# Altium PCB PCB22.PcbDoc (part 1 of 16)
Units mm, origin at the board's own origin, x right, y up, seen from the top; angles counter-clockwise.
Board outline 233.7 x 110.51 mm, 4 copper layers (Top Layer, Layer 1, Layer 2, Bottom Layer), stack 0.603 mm thick; 1249 components, 1355 nets, 4549 pads, 1315 vias.
Unrouted connection lines stored in the file: 1569.
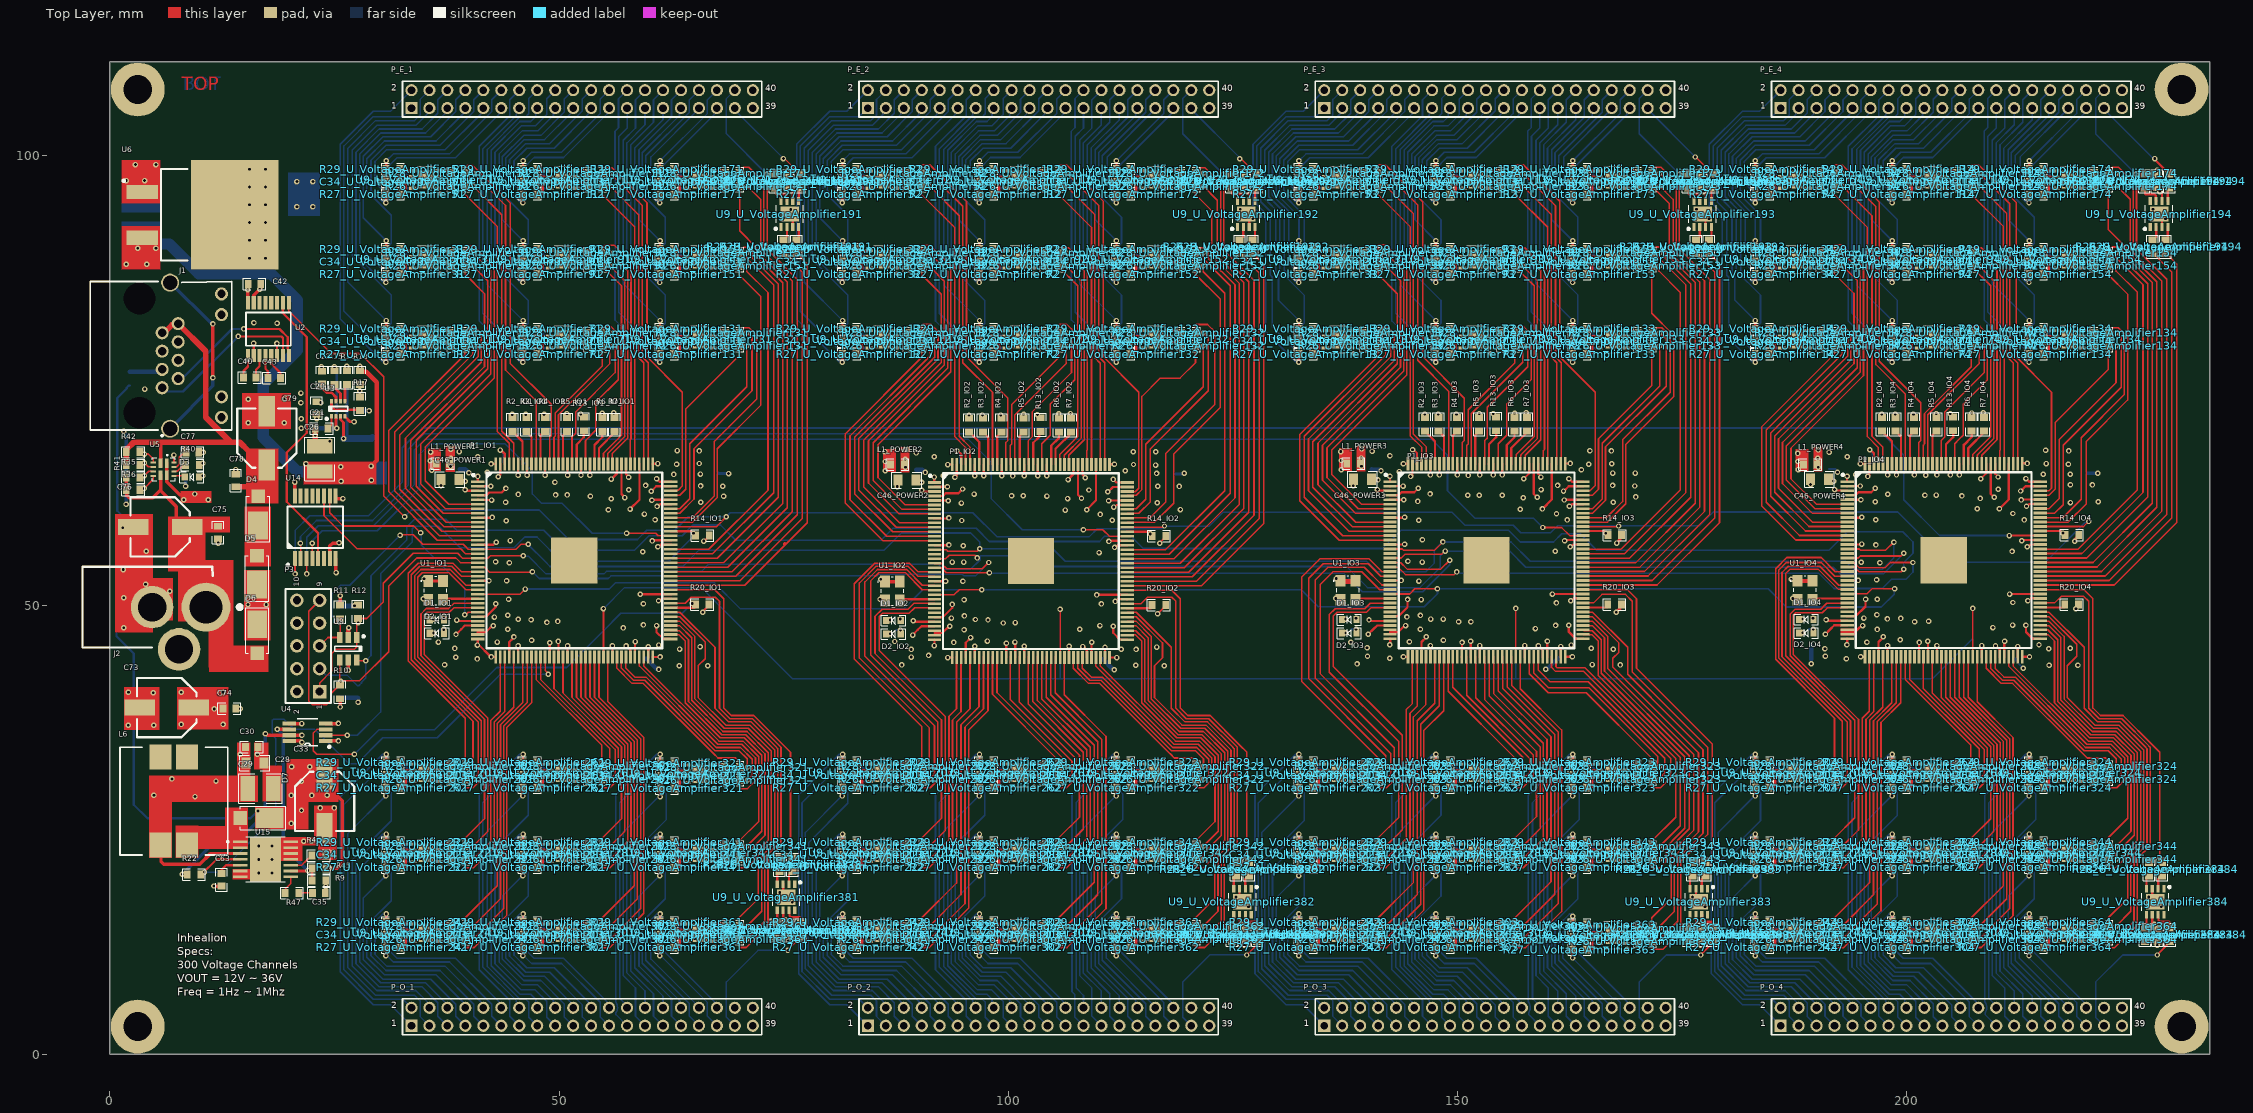
[diagram p0: Top Layer view]
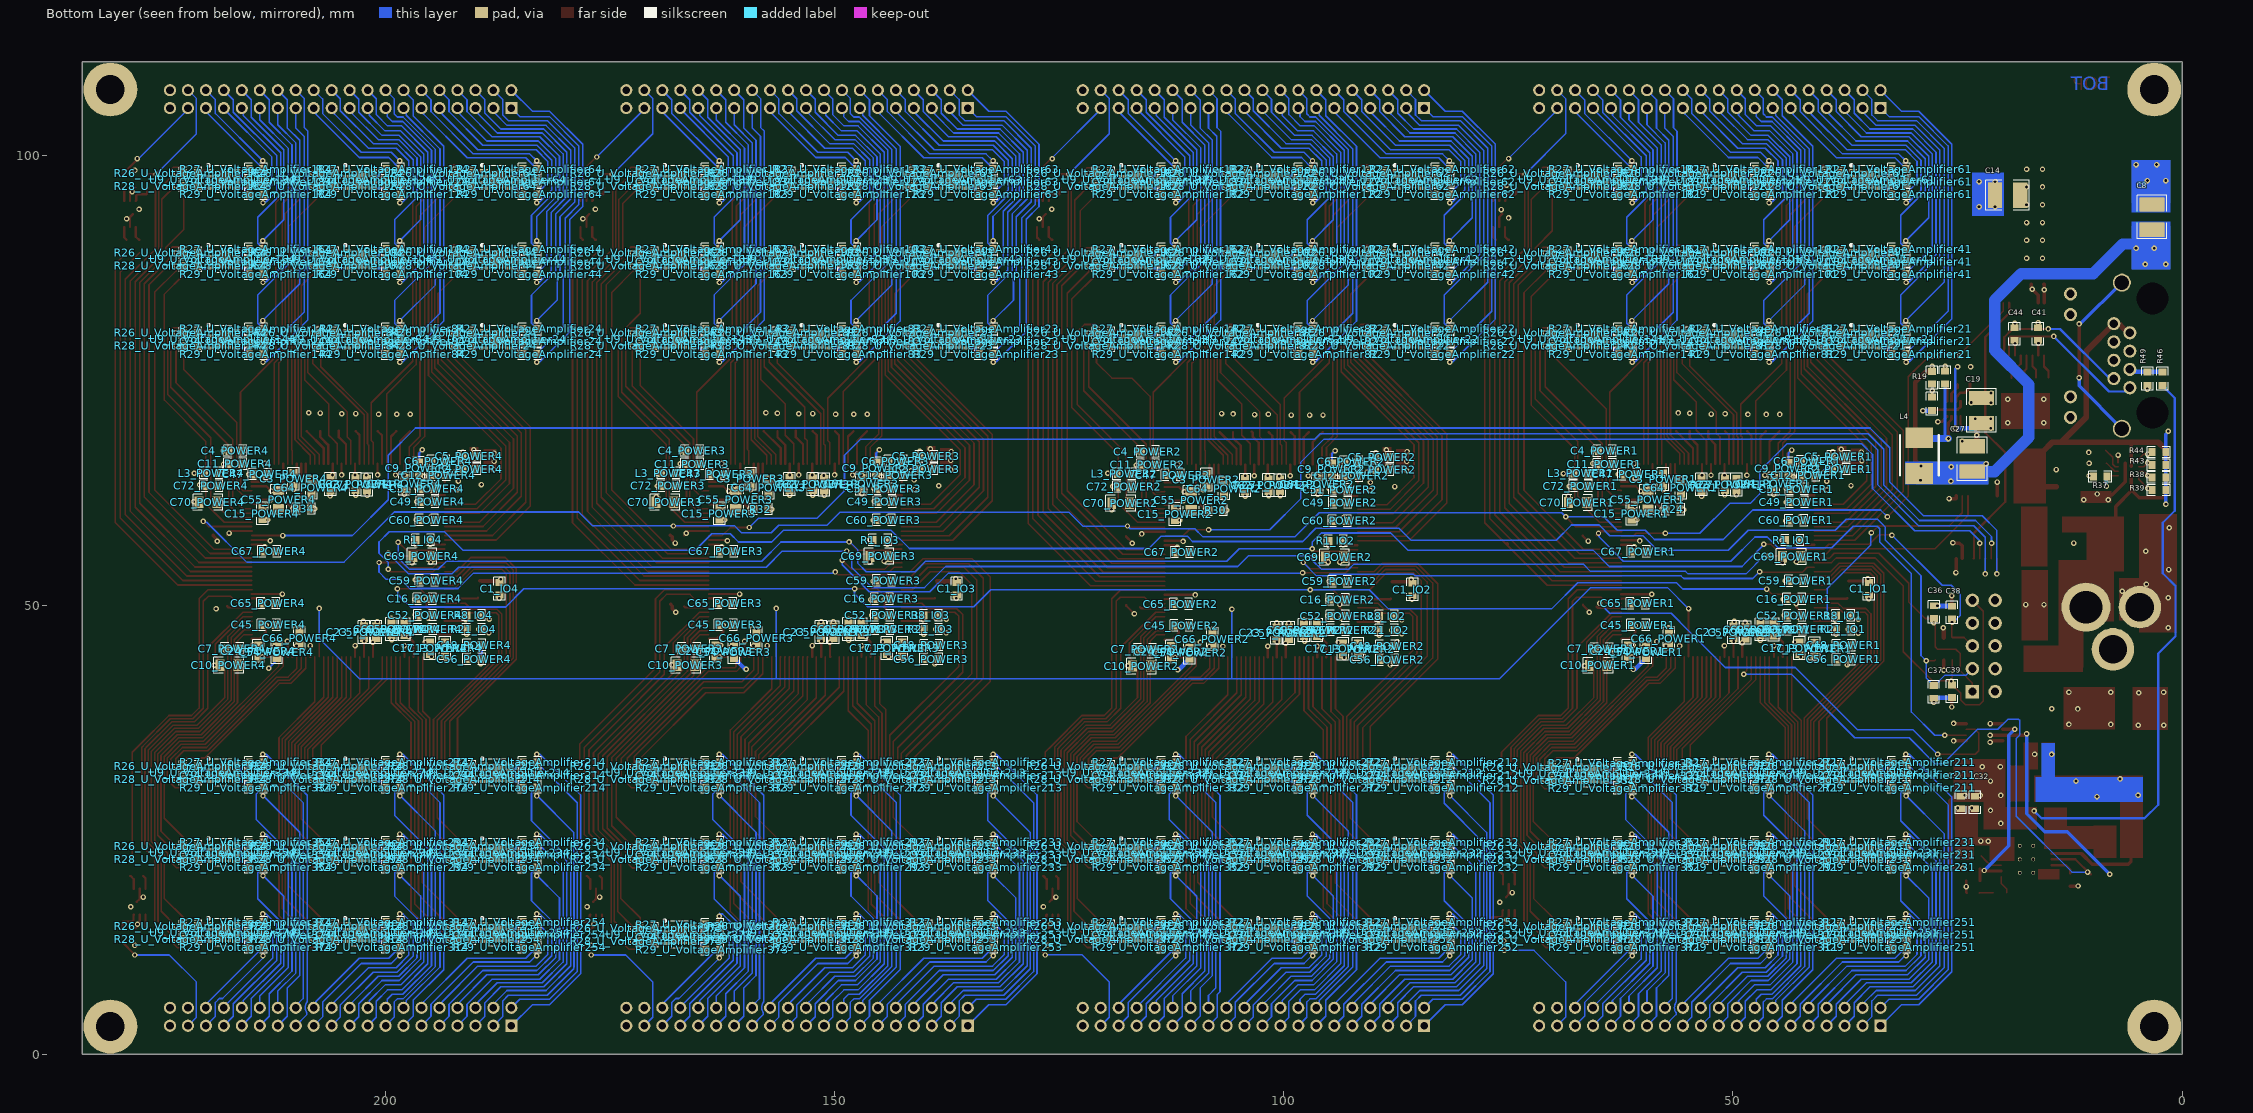
[diagram p1: Bottom Layer view, seen from below]
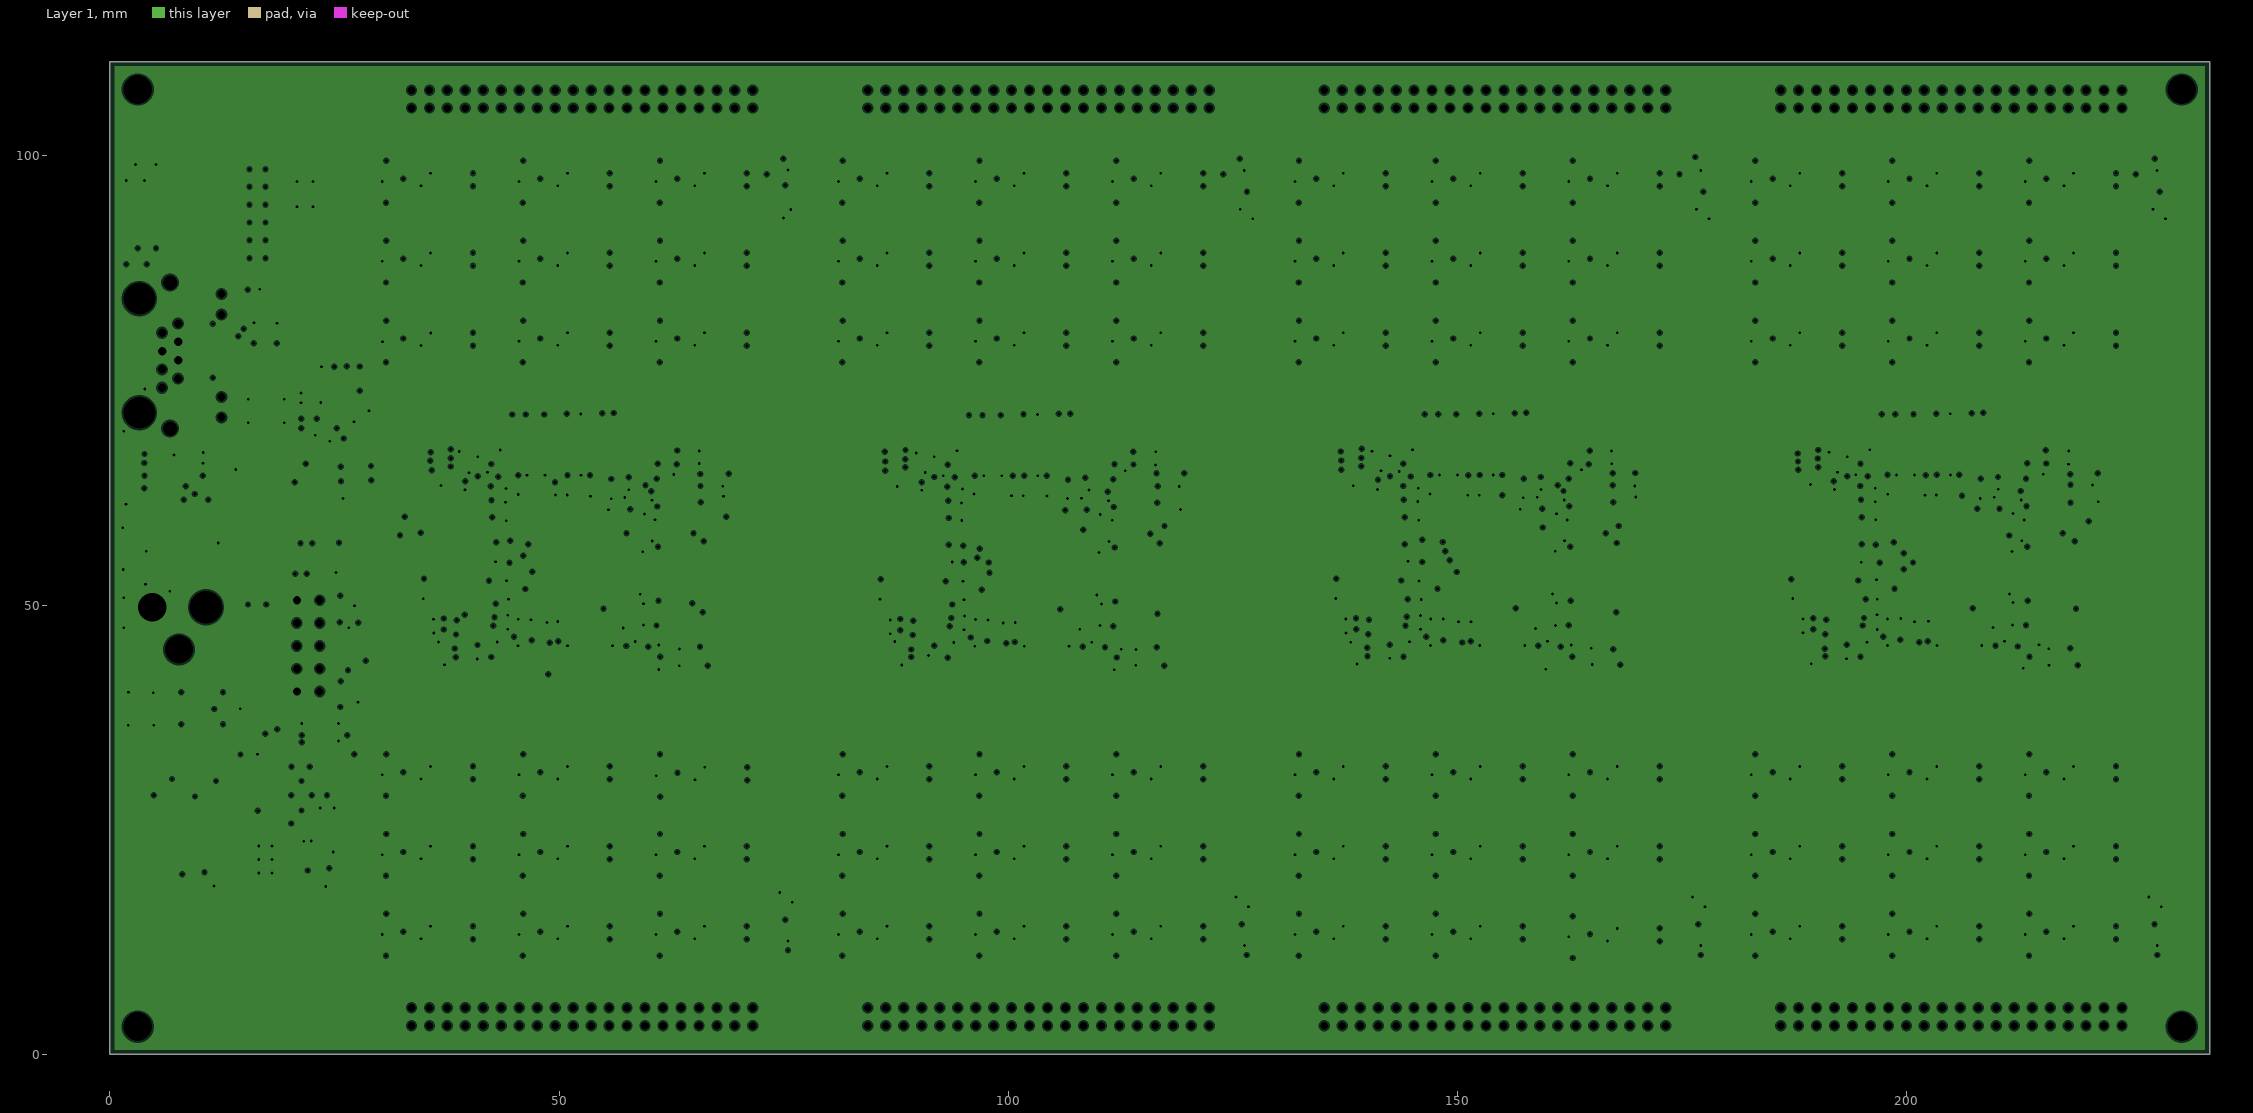
[diagram p2: Layer 1, clearances drawn from the general rule]
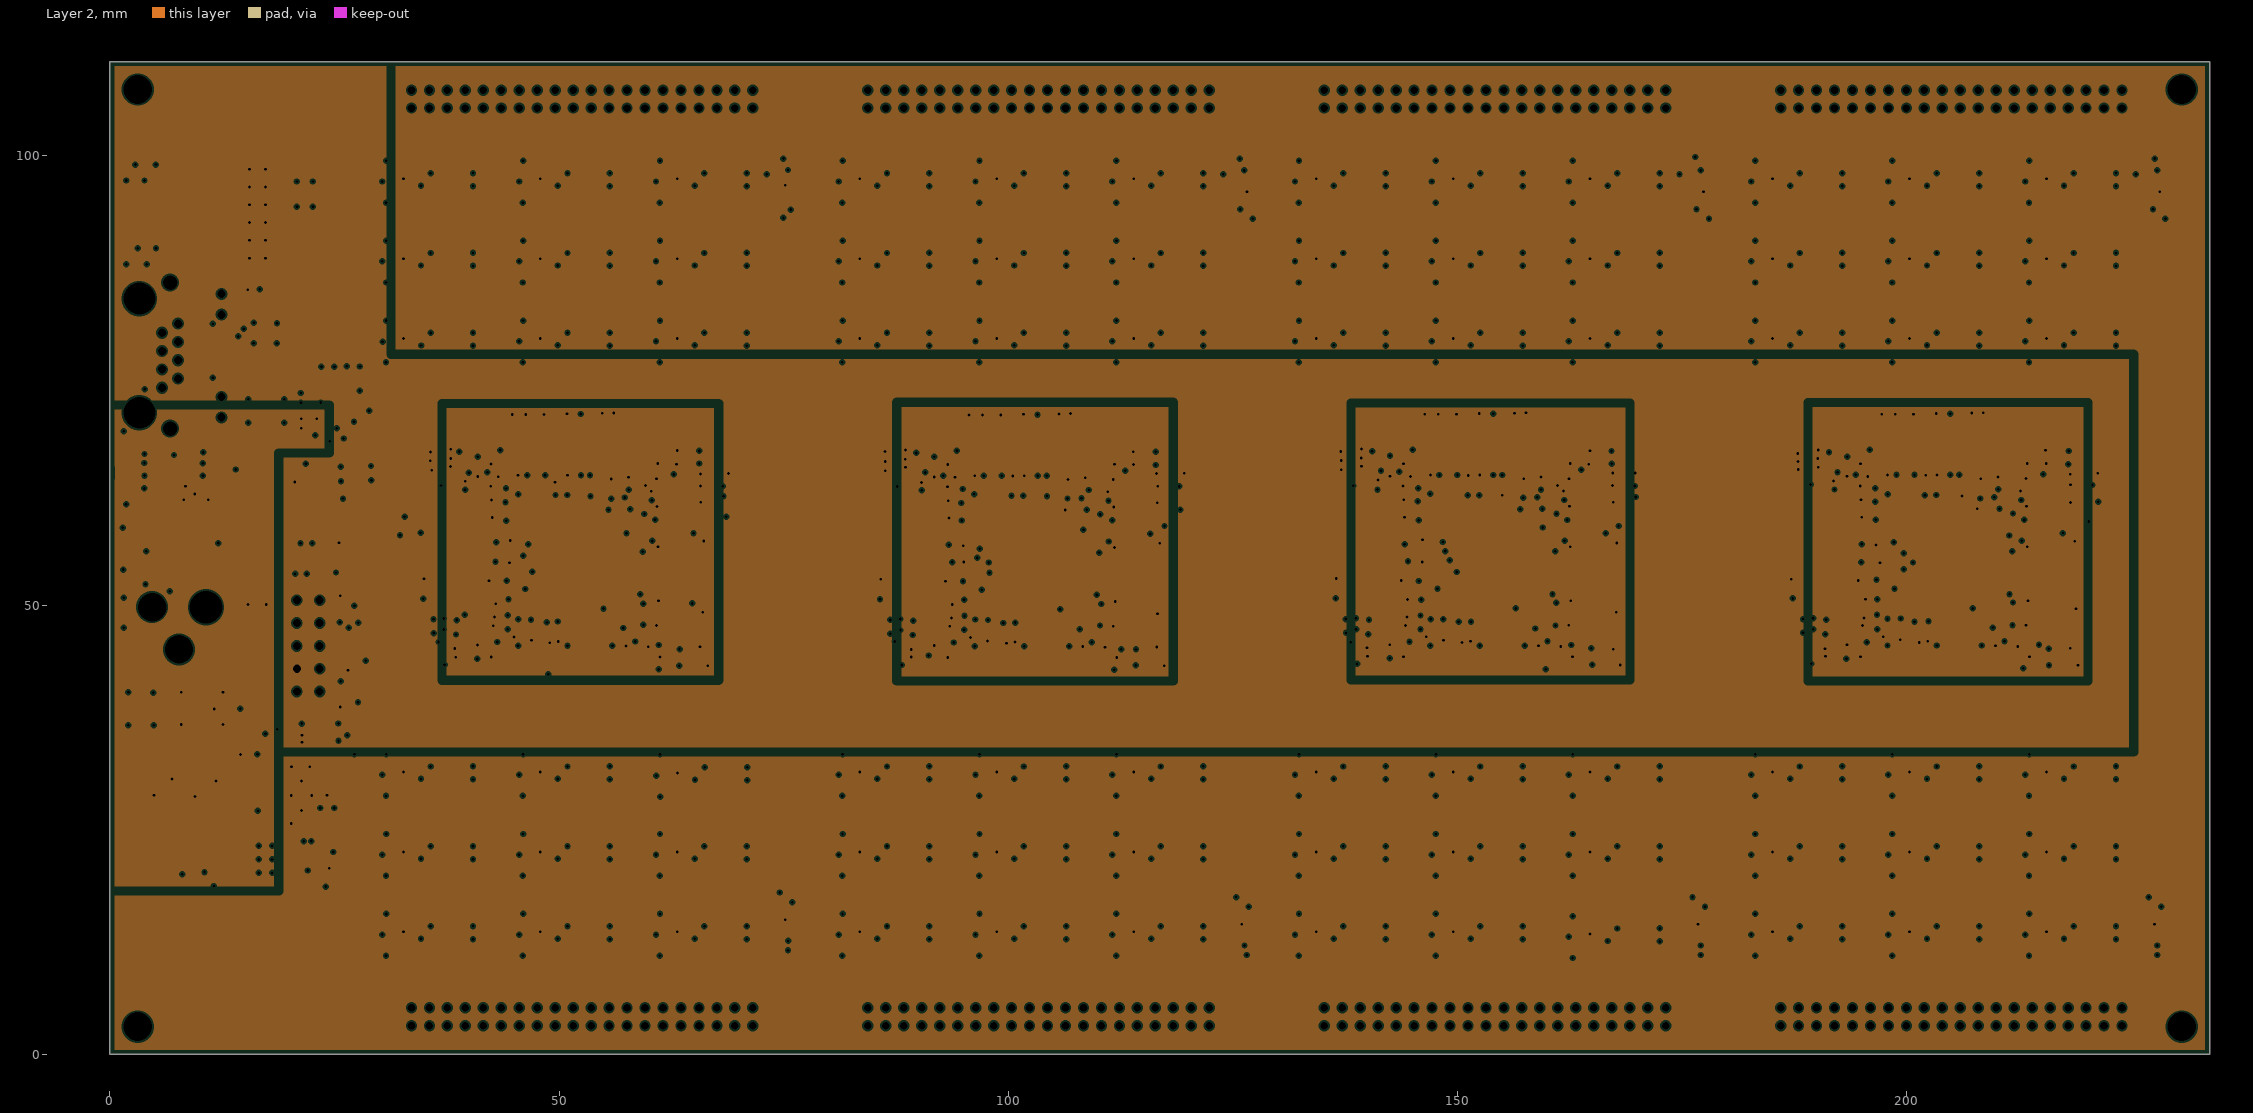
[diagram p3: Layer 2, clearances drawn from the general rule]

## Layer stack, top to bottom
Top Solder: solder mask 0.0102, Solder Resist, Dk 3.5
Top Layer: signal copper 0.0356
Dielectric 2: prepreg 0.0711, PP-006, Dk 4.1
Layer 1: plane copper 0.035, net GND
Dielectric 1: dielectric 0.32, FR-4, Dk 4.8
Layer 2: plane copper 0.035, net (Multiple Nets)
Dielectric 3: prepreg 0.0711, PP-006, Dk 4.1
Bottom Layer: signal copper 0.0356
Bottom Solder: solder mask 0.0102, Solder Resist, Dk 3.5

## Board outline
0,-0.005 233.7,-0.005 233.7,110.5 0,110.5

## Design rules (kind name [scope] priority, off if disabled: settings)
Clearance [All] p1: gap=0.178 ignorepadtopadclearanceinfootprint=TRUE
ComponentClearance [All] p1: gap=0 collisioncheckmode=3 verticalgap=0 showdistances=FALSE
HoleSize [All] p1: absolutevalues=TRUE maxlimit=5.08 minlimit=0.025 maxpercent=80.000 minpercent=20.000
MinimumSolderMaskSliver [All] p1: minsoldermaskwidth=0
PlaneClearance [All] p1: clearance=0.203
PlaneConnect [All] p1: planeconnectstyle=Relief reliefexpansion=0.254 reliefentries=4 reliefconductorwidth=0.254 reliefairgap=0.254
PolygonConnect [All] p1: connectstyle=Relief reliefconductorwidth=0.254 reliefentries=4 polygonreliefangle="90 Angle" airgapwidth=0.254
RoomDefinition U_VoltageAmplifier261 [InComponentClass('U_VoltageAmplifier261')] p1: confinementstyle=ConfineIn formatcopy=FALSE lockcomponents=FALSE outline 55.658,33.67 44.99,33.67 44.99,28.59 55.658,28.59
RoomDefinition U_VoltageAmplifier73 [InComponentClass('U_VoltageAmplifier73')] p2: confinementstyle=ConfineIn formatcopy=FALSE lockcomponents=FALSE outline 157.258,81.93 146.59,81.93 146.59,76.85 157.258,76.85
RoomDefinition U_VoltageAmplifier133 [InComponentClass('U_VoltageAmplifier133')] p3: confinementstyle=ConfineIn formatcopy=FALSE lockcomponents=FALSE outline 172.498,81.93 161.83,81.93 161.83,76.85 172.498,76.85
RoomDefinition U_VoltageAmplifier121 [InComponentClass('U_VoltageAmplifier121')] p4: confinementstyle=ConfineIn formatcopy=TRUE lockcomponents=FALSE outline 45.244,94.884 55.404,94.884 55.404,99.456 45.244,99.456
RoomDefinition IO2 [InComponentClass('IO2')] p5: confinementstyle=ConfineIn formatcopy=TRUE lockcomponents=FALSE outline 84.868,43.322 118.142,43.322 118.142,71.516 84.868,71.516
RoomDefinition POWER2 [InComponentClass('POWER2')] p6: confinementstyle=ConfineIn formatcopy=TRUE lockcomponents=FALSE outline 86.9,42.052 119.92,42.052 119.92,67.96 86.9,67.96
RoomDefinition U_VoltageAmplifier192 [InComponentClass('U_VoltageAmplifier192')] p7: confinementstyle=ConfineIn formatcopy=FALSE lockcomponents=FALSE outline 128.81,88.28 128.81,98.948 123.73,98.948 123.73,88.28
RoomDefinition U_VoltageAmplifier22 [InComponentClass('U_VoltageAmplifier22')] p8: confinementstyle=ConfineIn formatcopy=TRUE lockcomponents=FALSE outline 91.218,81.93 80.55,81.93 80.55,76.85 91.218,76.85
RoomDefinition U_VoltageAmplifier253 [InComponentClass('U_VoltageAmplifier253')] p9: confinementstyle=ConfineIn formatcopy=TRUE lockcomponents=FALSE outline 142.018,15.89 131.35,15.89 131.35,10.81 142.018,10.81
RoomDefinition U_VoltageAmplifier252 [InComponentClass('U_VoltageAmplifier252')] p10: confinementstyle=ConfineIn formatcopy=TRUE lockcomponents=FALSE outline 91.218,15.89 80.55,15.89 80.55,10.81 91.218,10.81
RoomDefinition U_VoltageAmplifier254 [InComponentClass('U_VoltageAmplifier254')] p11: confinementstyle=ConfineIn formatcopy=TRUE lockcomponents=FALSE outline 192.818,15.89 182.15,15.89 182.15,10.81 192.818,10.81
RoomDefinition U_VoltageAmplifier374 [InComponentClass('U_VoltageAmplifier374')] p12: confinementstyle=ConfineIn formatcopy=TRUE lockcomponents=FALSE outline 223.298,15.89 212.63,15.89 212.63,10.81 223.298,10.81
RoomDefinition U_VoltageAmplifier354 [InComponentClass('U_VoltageAmplifier354')] p13: confinementstyle=ConfineIn formatcopy=TRUE lockcomponents=FALSE outline 223.298,24.78 212.63,24.78 212.63,19.7 223.298,19.7
RoomDefinition U_VoltageAmplifier334 [InComponentClass('U_VoltageAmplifier334')] p14: confinementstyle=ConfineIn formatcopy=TRUE lockcomponents=FALSE outline 223.298,33.67 212.63,33.67 212.63,28.59 223.298,28.59
RoomDefinition U_VoltageAmplifier314 [InComponentClass('U_VoltageAmplifier314')] p15: confinementstyle=ConfineIn formatcopy=TRUE lockcomponents=FALSE outline 208.058,15.89 197.39,15.89 197.39,10.81 208.058,10.81
RoomDefinition U_VoltageAmplifier294 [InComponentClass('U_VoltageAmplifier294')] p16: confinementstyle=ConfineIn formatcopy=TRUE lockcomponents=FALSE outline 208.058,24.78 197.39,24.78 197.39,19.7 208.058,19.7
RoomDefinition U_VoltageAmplifier274 [InComponentClass('U_VoltageAmplifier274')] p17: confinementstyle=ConfineIn formatcopy=TRUE lockcomponents=FALSE outline 208.058,33.67 197.39,33.67 197.39,28.59 208.058,28.59
RoomDefinition U_VoltageAmplifier234 [InComponentClass('U_VoltageAmplifier234')] p18: confinementstyle=ConfineIn formatcopy=TRUE lockcomponents=FALSE outline 192.818,24.78 182.15,24.78 182.15,19.7 192.818,19.7
RoomDefinition U_VoltageAmplifier244 [InComponentClass('U_VoltageAmplifier244')] p19: confinementstyle=ConfineIn formatcopy=FALSE lockcomponents=FALSE outline 192.818,15.89 182.15,15.89 182.15,10.81 192.818,10.81
RoomDefinition U_VoltageAmplifier214 [InComponentClass('U_VoltageAmplifier214')] p20: confinementstyle=ConfineIn formatcopy=TRUE lockcomponents=FALSE outline 192.818,33.67 182.15,33.67 182.15,28.59 192.818,28.59
RoomDefinition U_VoltageAmplifier184 [InComponentClass('U_VoltageAmplifier184')] p21: confinementstyle=ConfineIn formatcopy=TRUE lockcomponents=FALSE outline 223.298,99.71 212.63,99.71 212.63,94.63 223.298,94.63
RoomDefinition U_VoltageAmplifier164 [InComponentClass('U_VoltageAmplifier164')] p22: confinementstyle=ConfineIn formatcopy=TRUE lockcomponents=FALSE outline 223.298,90.82 212.63,90.82 212.63,85.74 223.298,85.74
RoomDefinition U_VoltageAmplifier144 [InComponentClass('U_VoltageAmplifier144')] p23: confinementstyle=ConfineIn formatcopy=TRUE lockcomponents=FALSE outline 223.298,81.93 212.63,81.93 212.63,76.85 223.298,76.85
RoomDefinition U_VoltageAmplifier124 [InComponentClass('U_VoltageAmplifier124')] p24: confinementstyle=ConfineIn formatcopy=TRUE lockcomponents=FALSE outline 208.058,99.71 197.39,99.71 197.39,94.63 208.058,94.63
RoomDefinition U_VoltageAmplifier104 [InComponentClass('U_VoltageAmplifier104')] p25: confinementstyle=ConfineIn formatcopy=TRUE lockcomponents=FALSE outline 208.058,90.82 197.39,90.82 197.39,85.74 208.058,85.74
RoomDefinition U_VoltageAmplifier84 [InComponentClass('U_VoltageAmplifier84')] p26: confinementstyle=ConfineIn formatcopy=TRUE lockcomponents=FALSE outline 208.058,81.93 197.39,81.93 197.39,76.85 208.058,76.85
RoomDefinition U_VoltageAmplifier64 [InComponentClass('U_VoltageAmplifier64')] p27: confinementstyle=ConfineIn formatcopy=TRUE lockcomponents=FALSE outline 192.818,99.71 182.15,99.71 182.15,94.63 192.818,94.63
RoomDefinition U_VoltageAmplifier44 [InComponentClass('U_VoltageAmplifier44')] p28: confinementstyle=ConfineIn formatcopy=TRUE lockcomponents=FALSE outline 192.818,90.82 182.15,90.82 182.15,85.74 192.818,85.74
RoomDefinition U_VoltageAmplifier24 [InComponentClass('U_VoltageAmplifier24')] p29: confinementstyle=ConfineIn formatcopy=TRUE lockcomponents=FALSE outline 192.818,81.93 182.15,81.93 182.15,76.85 192.818,76.85
RoomDefinition U_VoltageAmplifier373 [InComponentClass('U_VoltageAmplifier373')] p30: confinementstyle=ConfineIn formatcopy=TRUE lockcomponents=FALSE outline 172.498,15.636 161.83,15.636 161.83,10.556 172.498,10.556
RoomDefinition U_VoltageAmplifier353 [InComponentClass('U_VoltageAmplifier353')] p31: confinementstyle=ConfineIn formatcopy=TRUE lockcomponents=FALSE outline 172.498,24.78 161.83,24.78 161.83,19.7 172.498,19.7
RoomDefinition U_VoltageAmplifier333 [InComponentClass('U_VoltageAmplifier333')] p32: confinementstyle=ConfineIn formatcopy=TRUE lockcomponents=FALSE outline 172.498,33.67 161.83,33.67 161.83,28.59 172.498,28.59
RoomDefinition U_VoltageAmplifier313 [InComponentClass('U_VoltageAmplifier313')] p33: confinementstyle=ConfineIn formatcopy=TRUE lockcomponents=FALSE outline 157.258,15.89 146.59,15.89 146.59,10.81 157.258,10.81
RoomDefinition U_VoltageAmplifier293 [InComponentClass('U_VoltageAmplifier293')] p34: confinementstyle=ConfineIn formatcopy=TRUE lockcomponents=FALSE outline 157.258,24.78 146.59,24.78 146.59,19.7 157.258,19.7
RoomDefinition U_VoltageAmplifier273 [InComponentClass('U_VoltageAmplifier273')] p35: confinementstyle=ConfineIn formatcopy=TRUE lockcomponents=FALSE outline 157.258,33.67 146.59,33.67 146.59,28.59 157.258,28.59
RoomDefinition U_VoltageAmplifier233 [InComponentClass('U_VoltageAmplifier233')] p36: confinementstyle=ConfineIn formatcopy=TRUE lockcomponents=FALSE outline 142.018,24.78 131.35,24.78 131.35,19.7 142.018,19.7
RoomDefinition U_VoltageAmplifier213 [InComponentClass('U_VoltageAmplifier213')] p37: confinementstyle=ConfineIn formatcopy=TRUE lockcomponents=FALSE outline 142.018,33.67 131.35,33.67 131.35,28.59 142.018,28.59
RoomDefinition U_VoltageAmplifier203 [InComponentClass('U_VoltageAmplifier203')] p38: confinementstyle=ConfineIn formatcopy=FALSE lockcomponents=FALSE outline 142.018,33.67 131.35,33.67 131.35,28.59 142.018,28.59
RoomDefinition U_VoltageAmplifier183 [InComponentClass('U_VoltageAmplifier183')] p39: confinementstyle=ConfineIn formatcopy=TRUE lockcomponents=FALSE outline 172.498,99.71 161.83,99.71 161.83,94.63 172.498,94.63
RoomDefinition U_VoltageAmplifier163 [InComponentClass('U_VoltageAmplifier163')] p40: confinementstyle=ConfineIn formatcopy=TRUE lockcomponents=FALSE outline 172.498,90.82 161.83,90.82 161.83,85.74 172.498,85.74
RoomDefinition U_VoltageAmplifier143 [InComponentClass('U_VoltageAmplifier143')] p41: confinementstyle=ConfineIn formatcopy=TRUE lockcomponents=FALSE outline 172.498,81.93 161.83,81.93 161.83,76.85 172.498,76.85
RoomDefinition U_VoltageAmplifier123 [InComponentClass('U_VoltageAmplifier123')] p42: confinementstyle=ConfineIn formatcopy=TRUE lockcomponents=FALSE outline 157.258,99.71 146.59,99.71 146.59,94.63 157.258,94.63
RoomDefinition U_VoltageAmplifier103 [InComponentClass('U_VoltageAmplifier103')] p43: confinementstyle=ConfineIn formatcopy=TRUE lockcomponents=FALSE outline 157.258,90.82 146.59,90.82 146.59,85.74 157.258,85.74
RoomDefinition U_VoltageAmplifier83 [InComponentClass('U_VoltageAmplifier83')] p44: confinementstyle=ConfineIn formatcopy=TRUE lockcomponents=FALSE outline 157.258,81.93 146.59,81.93 146.59,76.85 157.258,76.85
RoomDefinition U_VoltageAmplifier63 [InComponentClass('U_VoltageAmplifier63')] p45: confinementstyle=ConfineIn formatcopy=TRUE lockcomponents=FALSE outline 142.018,99.71 131.35,99.71 131.35,94.63 142.018,94.63
RoomDefinition U_VoltageAmplifier43 [InComponentClass('U_VoltageAmplifier43')] p46: confinementstyle=ConfineIn formatcopy=TRUE lockcomponents=FALSE outline 142.018,90.82 131.35,90.82 131.35,85.74 142.018,85.74
RoomDefinition U_VoltageAmplifier23 [InComponentClass('U_VoltageAmplifier23')] p47: confinementstyle=ConfineIn formatcopy=TRUE lockcomponents=FALSE outline 142.018,81.93 131.35,81.93 131.35,76.85 142.018,76.85
RoomDefinition U_VoltageAmplifier372 [InComponentClass('U_VoltageAmplifier372')] p48: confinementstyle=ConfineIn formatcopy=TRUE lockcomponents=FALSE outline 121.698,15.89 111.03,15.89 111.03,10.81 121.698,10.81
RoomDefinition U_VoltageAmplifier352 [InComponentClass('U_VoltageAmplifier352')] p49: confinementstyle=ConfineIn formatcopy=TRUE lockcomponents=FALSE outline 121.698,24.78 111.03,24.78 111.03,19.7 121.698,19.7
RoomDefinition U_VoltageAmplifier332 [InComponentClass('U_VoltageAmplifier332')] p50: confinementstyle=ConfineIn formatcopy=TRUE lockcomponents=FALSE outline 121.698,33.67 111.03,33.67 111.03,28.59 121.698,28.59
RoomDefinition U_VoltageAmplifier312 [InComponentClass('U_VoltageAmplifier312')] p51: confinementstyle=ConfineIn formatcopy=TRUE lockcomponents=FALSE outline 106.458,15.89 95.79,15.89 95.79,10.81 106.458,10.81
RoomDefinition U_VoltageAmplifier292 [InComponentClass('U_VoltageAmplifier292')] p52: confinementstyle=ConfineIn formatcopy=TRUE lockcomponents=FALSE outline 106.458,24.78 95.79,24.78 95.79,19.7 106.458,19.7
RoomDefinition U_VoltageAmplifier272 [InComponentClass('U_VoltageAmplifier272')] p53: confinementstyle=ConfineIn formatcopy=TRUE lockcomponents=FALSE outline 106.458,33.67 95.79,33.67 95.79,28.59 106.458,28.59
RoomDefinition U_VoltageAmplifier232 [InComponentClass('U_VoltageAmplifier232')] p54: confinementstyle=ConfineIn formatcopy=TRUE lockcomponents=FALSE outline 91.218,24.78 80.55,24.78 80.55,19.7 91.218,19.7